# Altium PCB Austindetz_CM4_Board_v1.0.PcbDoc (part 1 of 6)
Units mil, origin at the board's own origin, x right, y up, seen from the top; angles counter-clockwise.
Board outline 4020 x 5659.29 mil, 6 copper layers (Top Layer, 02_GND1, 03_SIg1, 04_SIg2, 05_Pwr1, Bottom Layer), stack 60.56 mil thick; 407 components, 332 nets, 1812 pads, 973 vias.
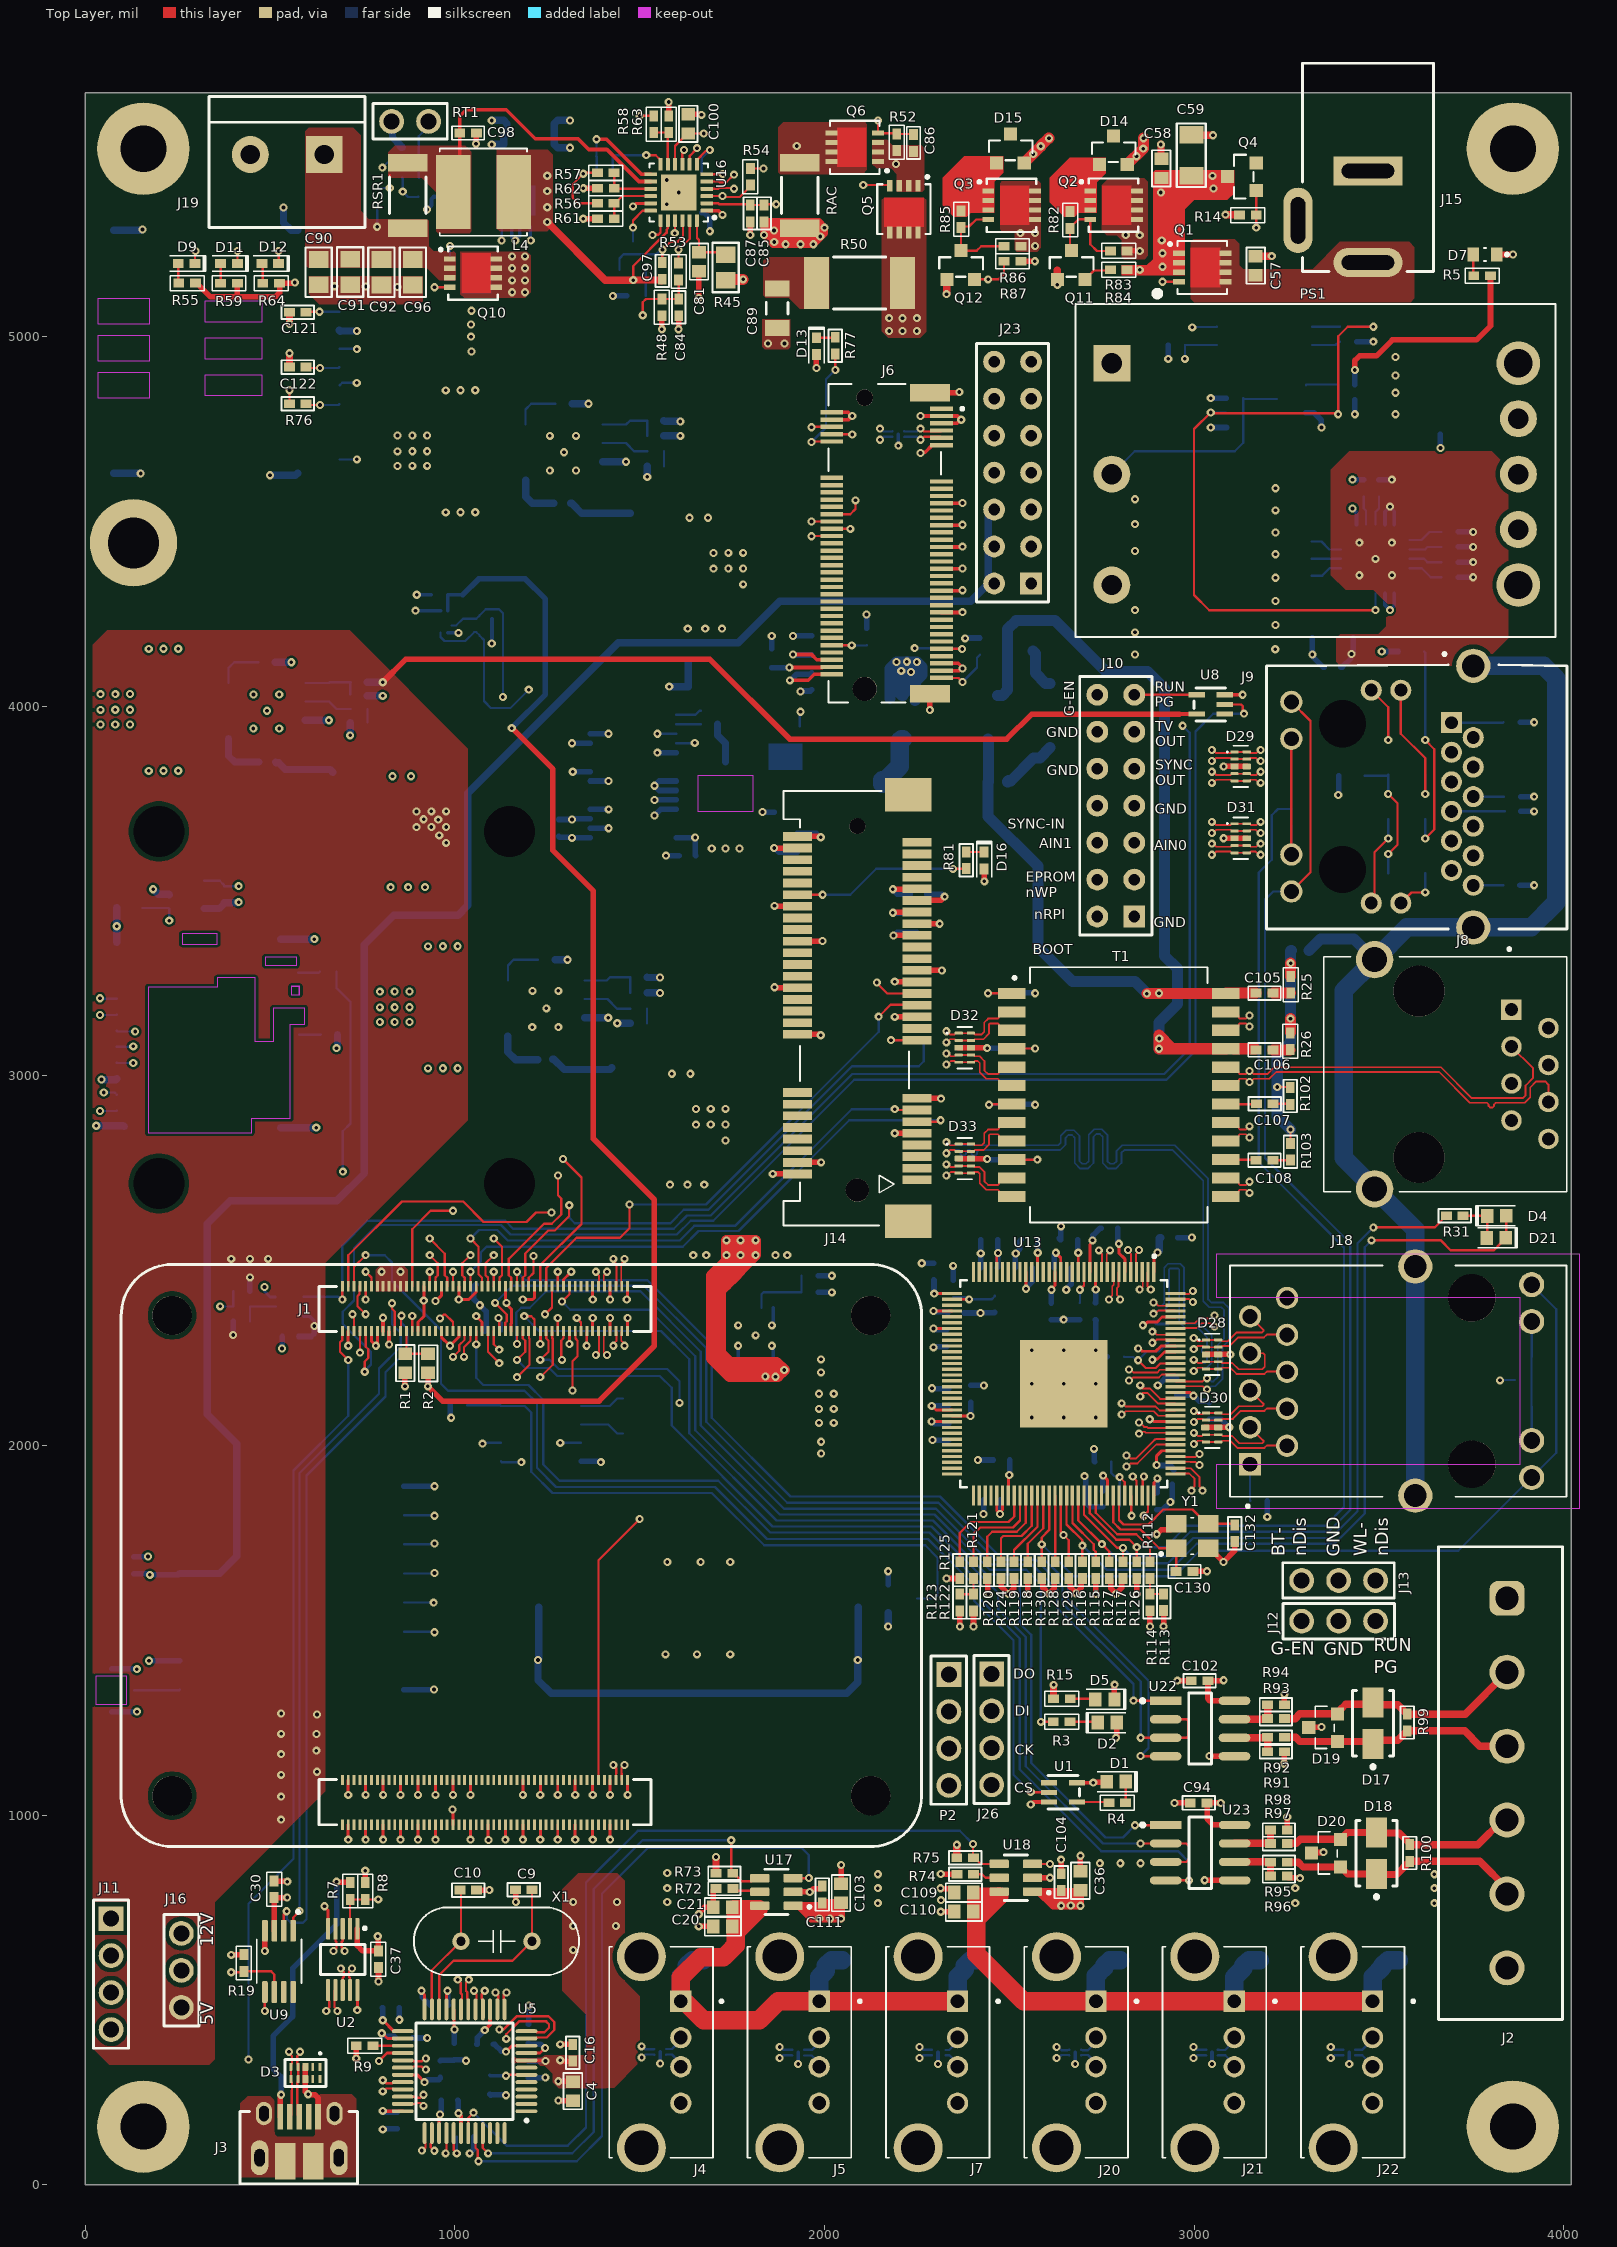
[diagram p0: Top Layer view]
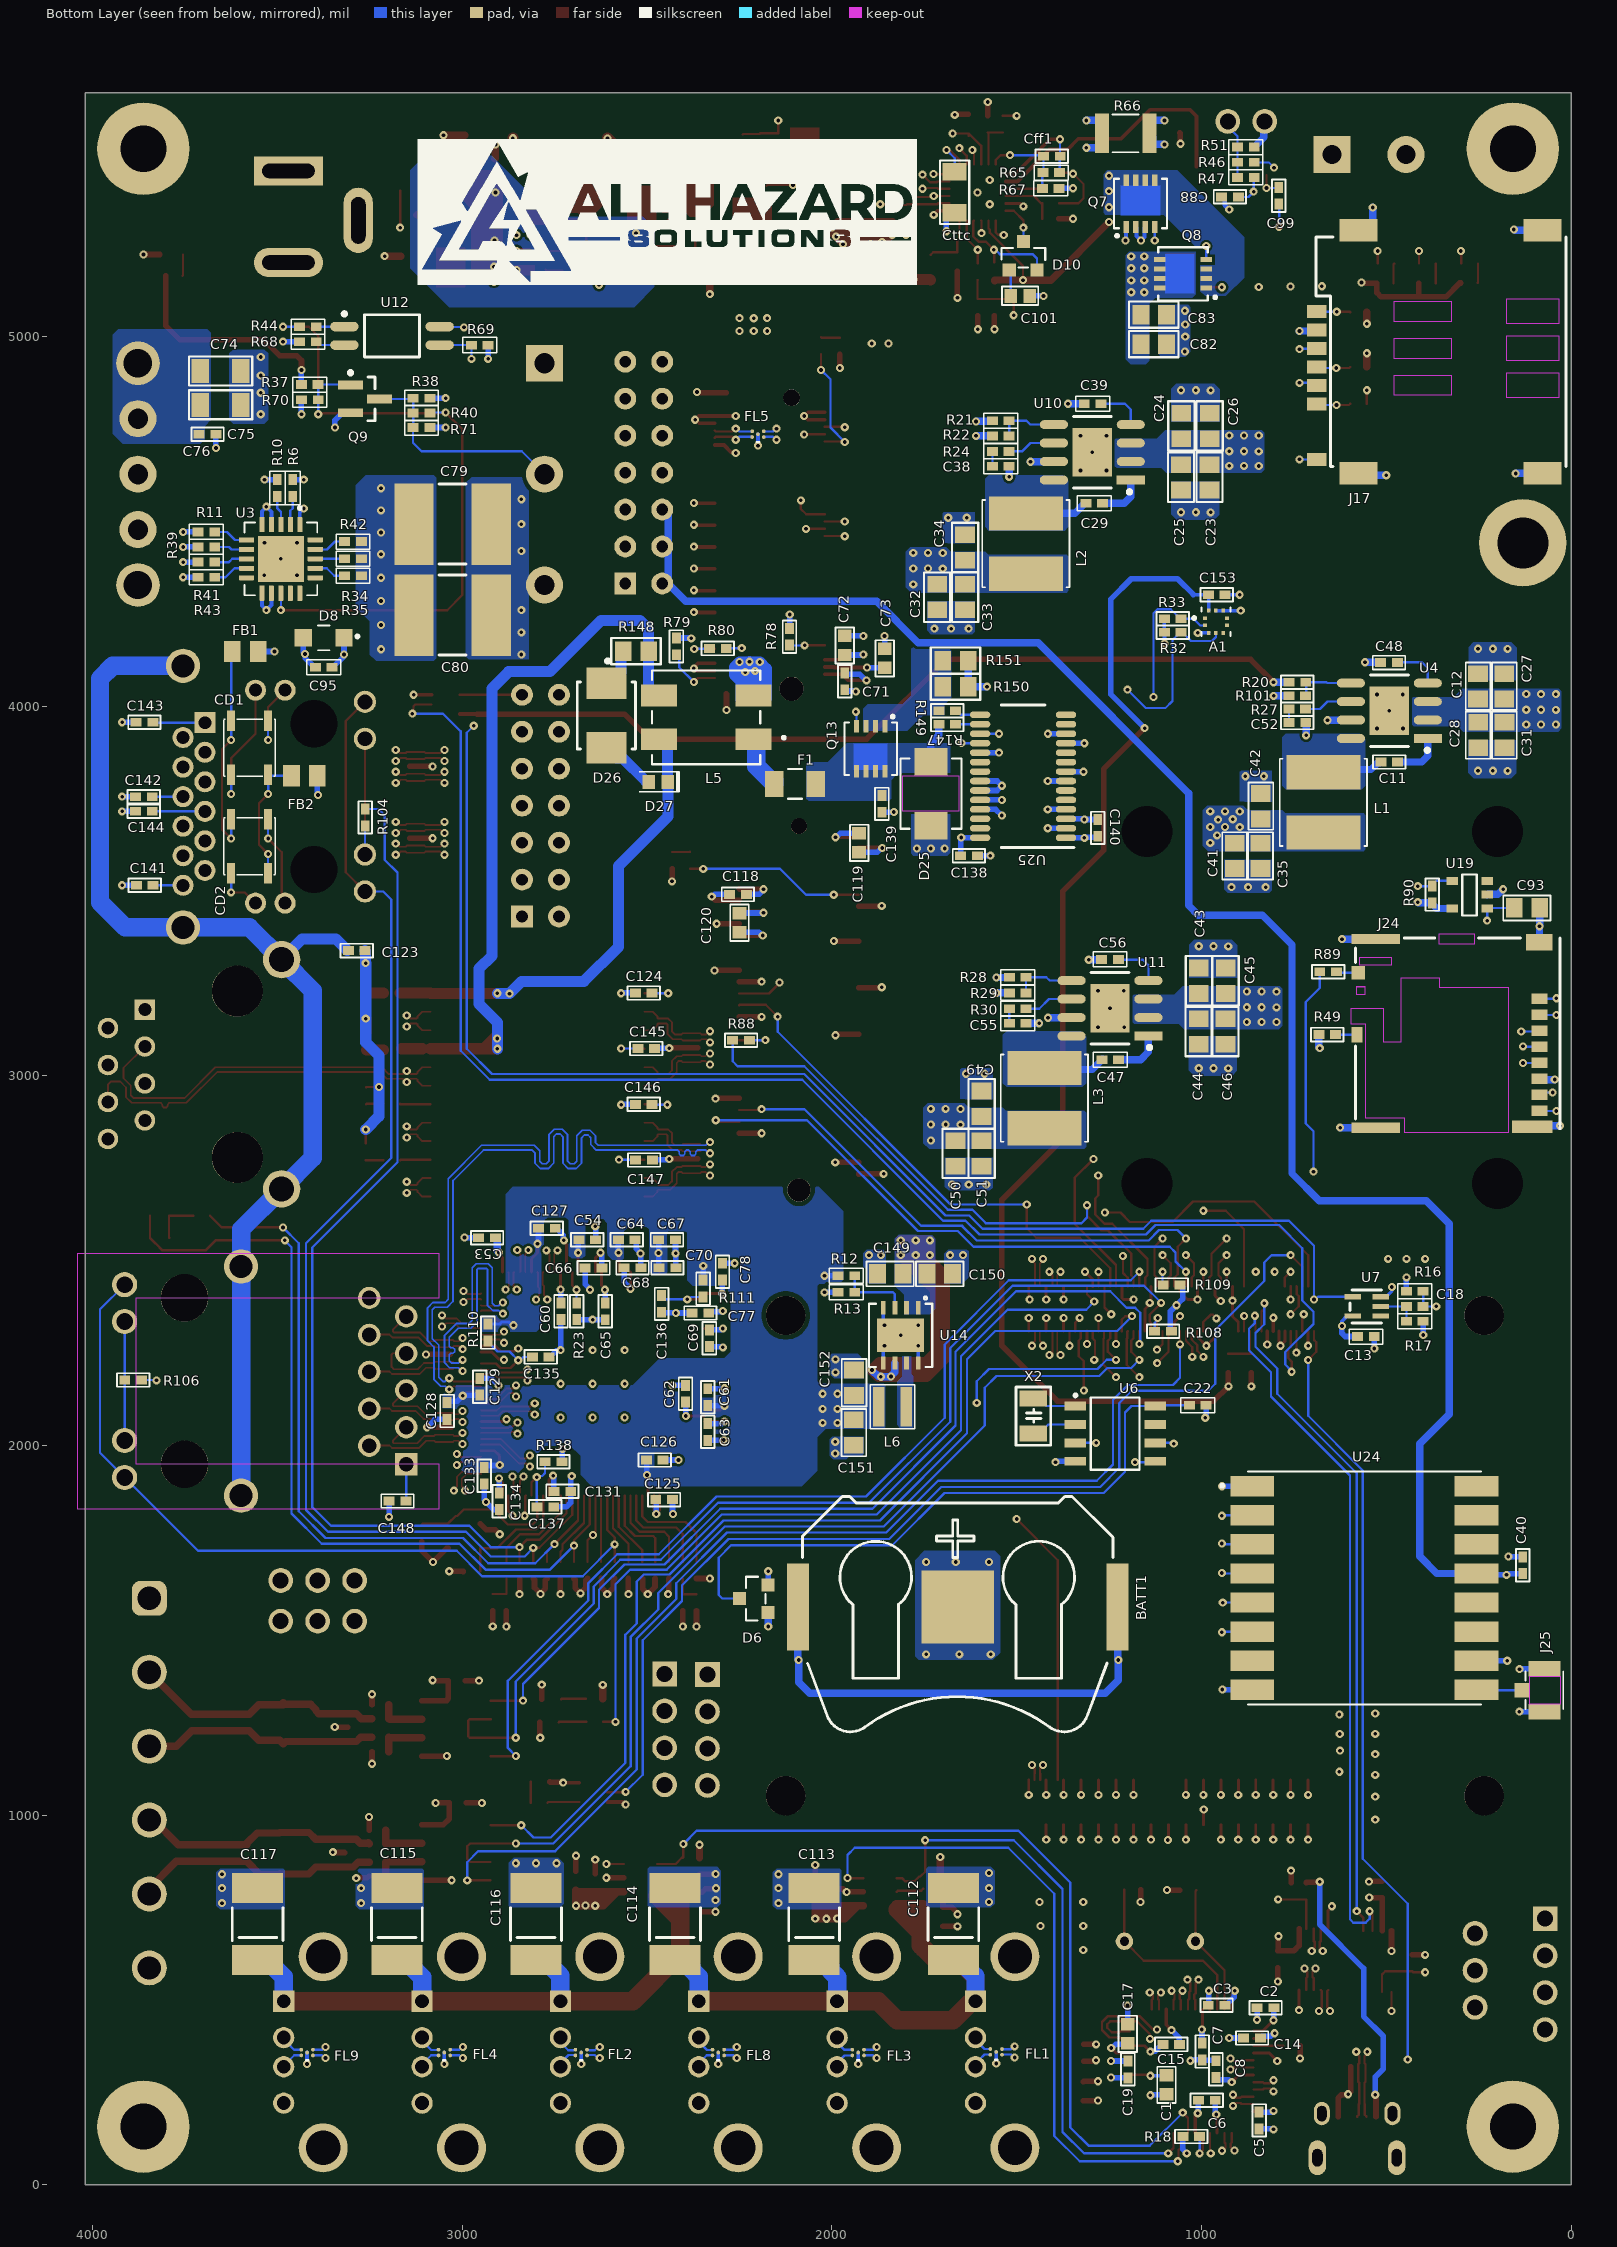
[diagram p1: Bottom Layer view, seen from below]
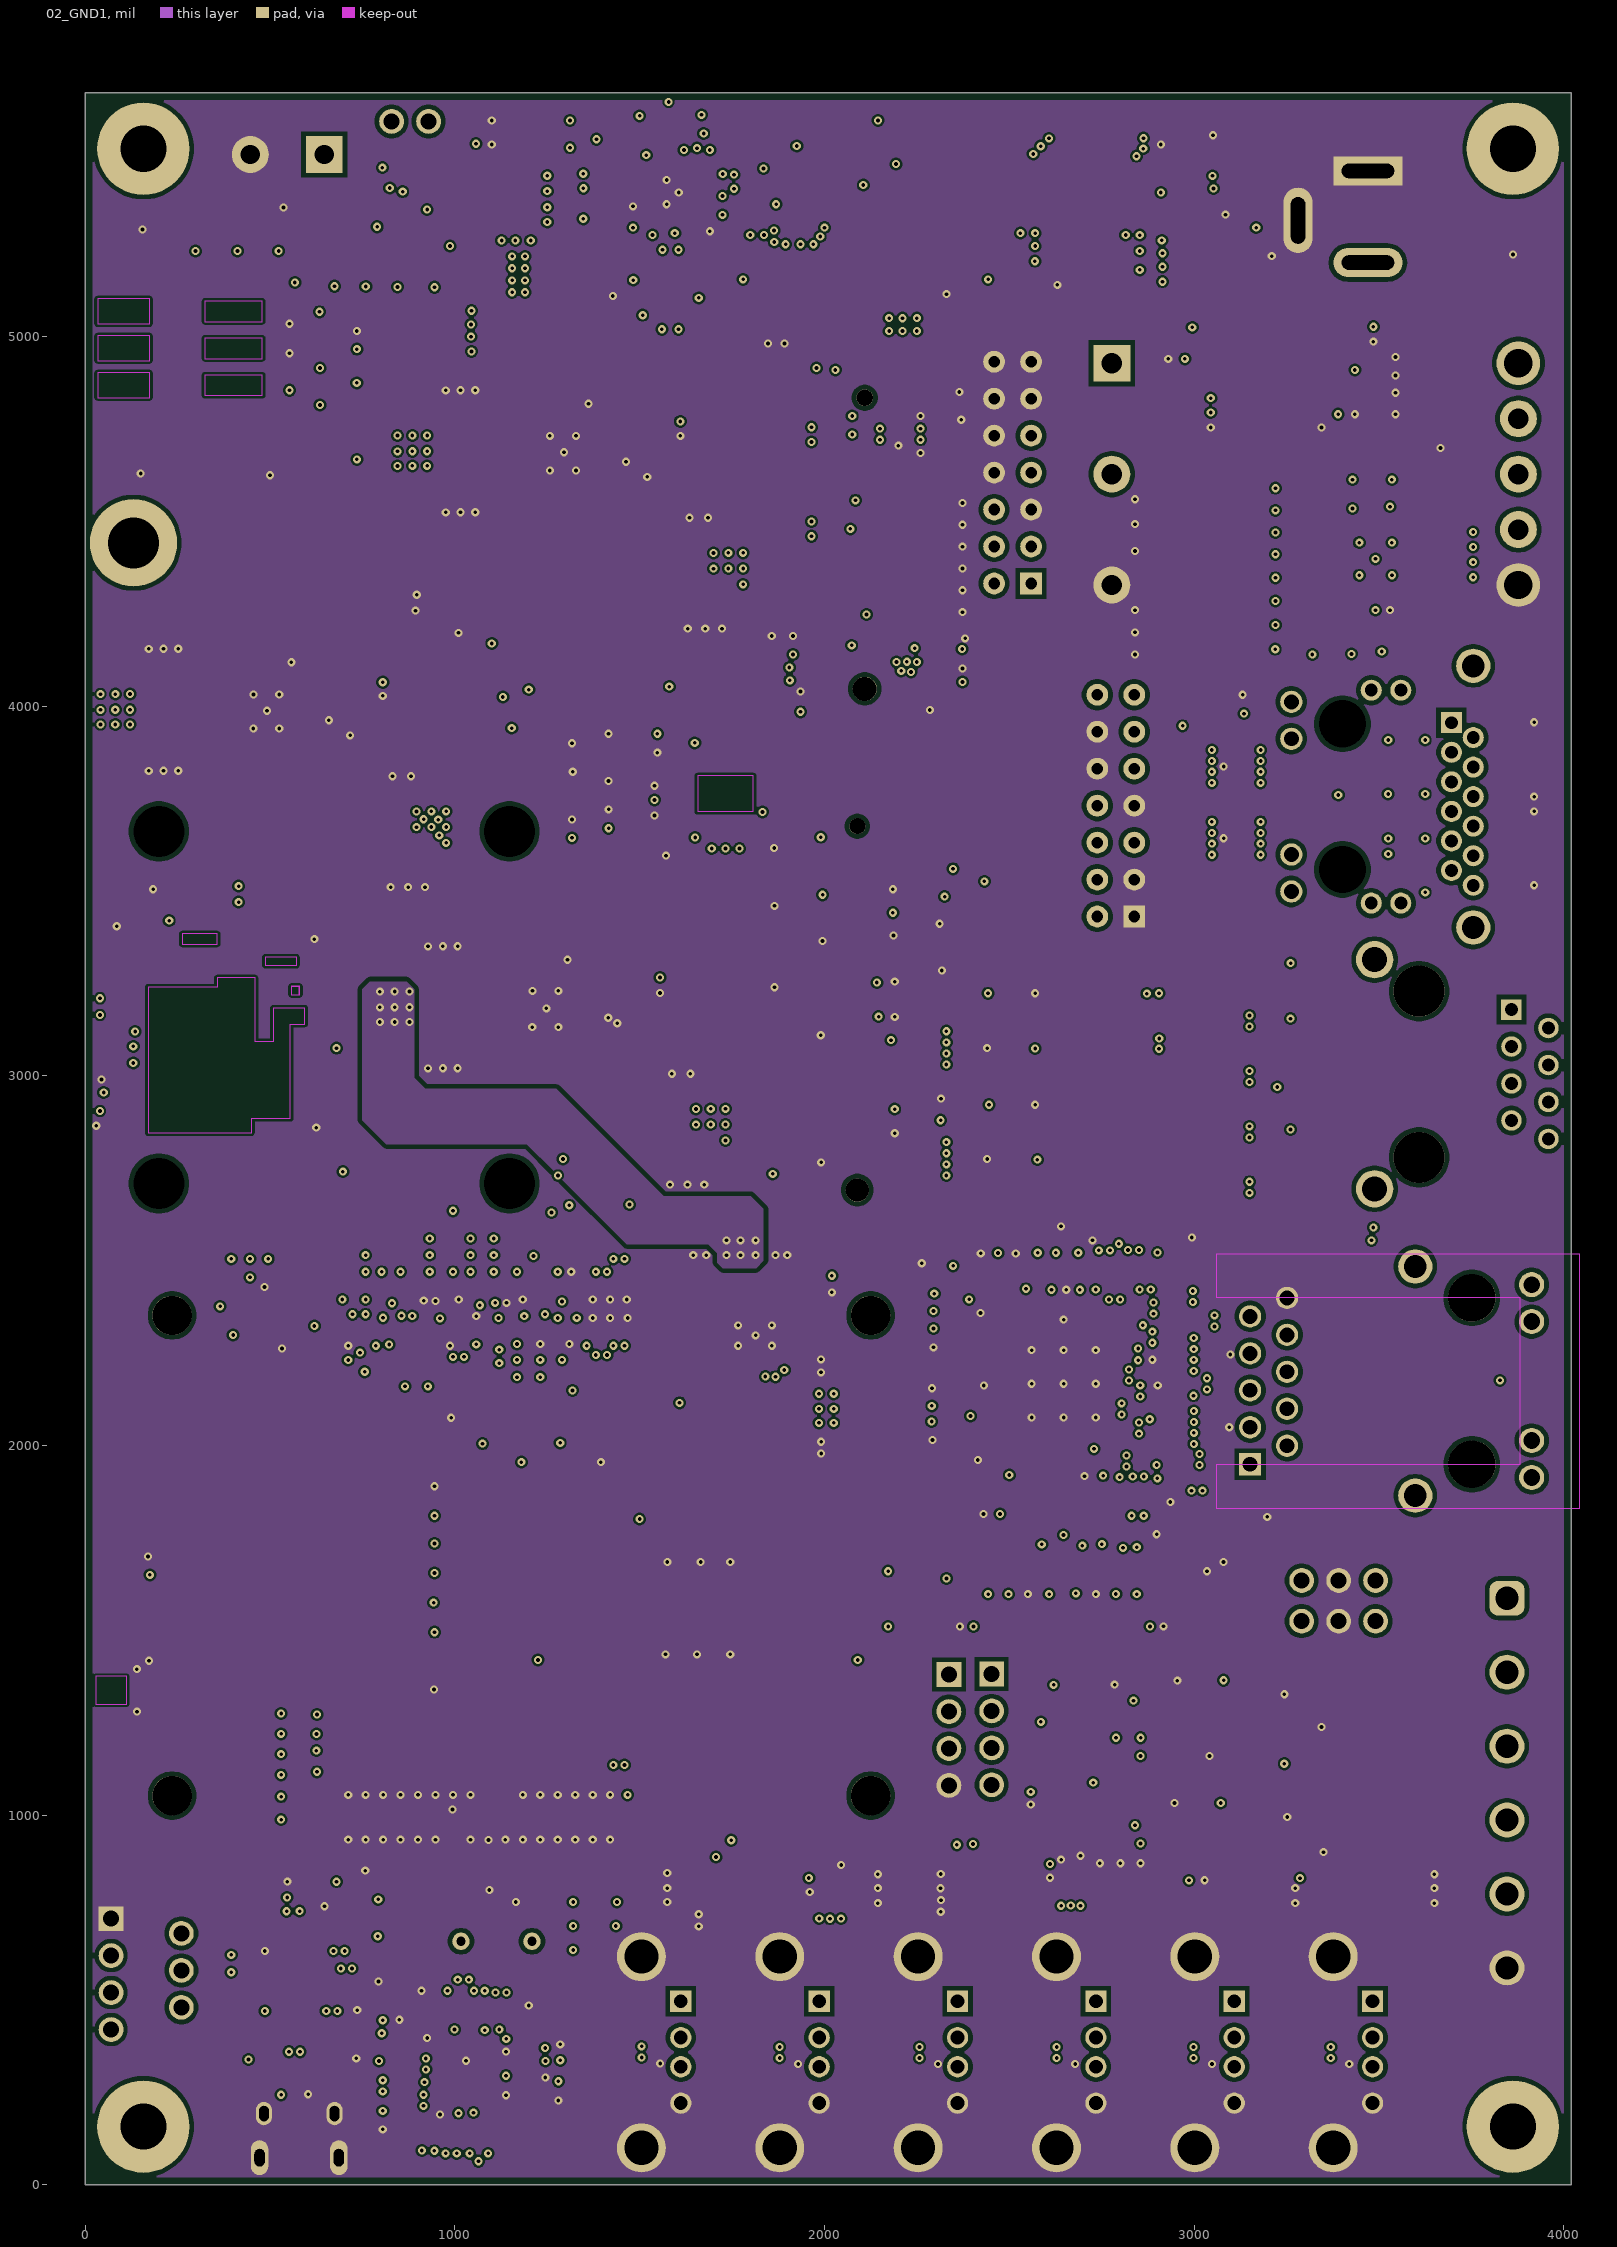
[diagram p2: 02_GND1]
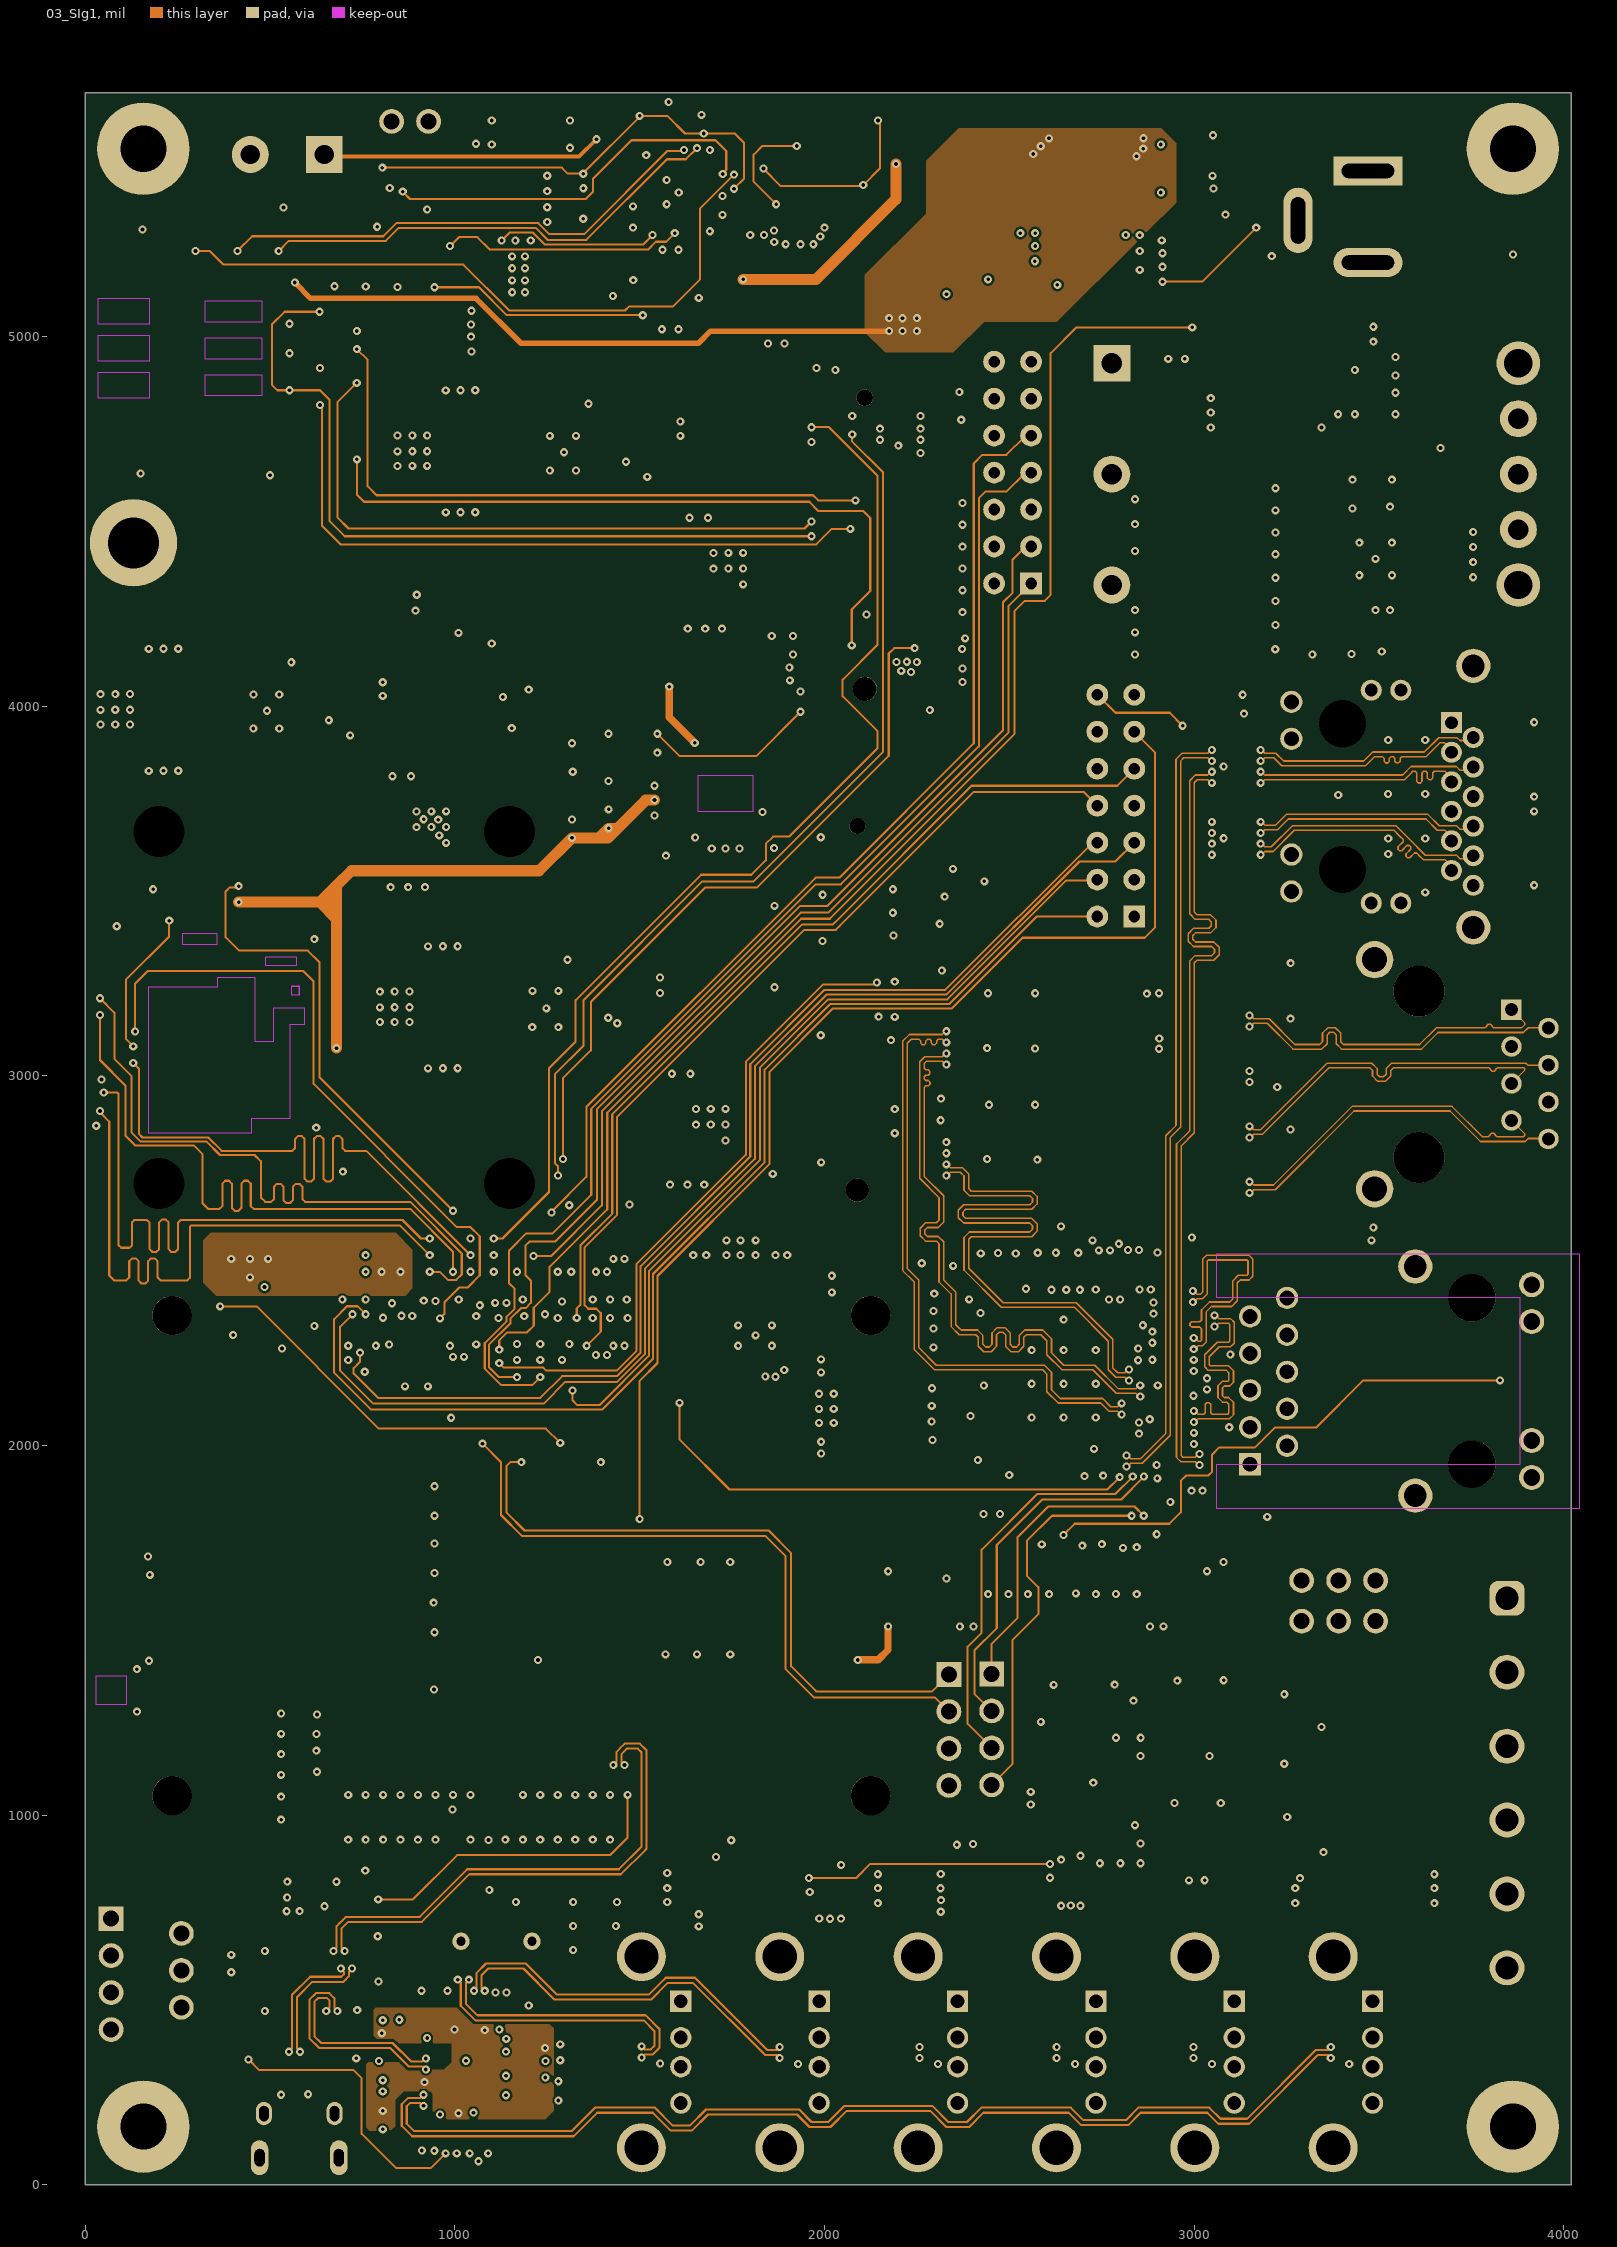
[diagram p3: 03_SIg1]